# Altium PCB 智能马桶综合检测台V1.0.PcbDoc (part 1 of 10)
Units mil, origin at the board's own origin, x right, y up, seen from the top; angles counter-clockwise.
Board outline 8070.87 x 6102.36 mil, 2 copper layers (Top Layer, Bottom Layer); 199 components, 169 nets, 738 pads, 77 vias.
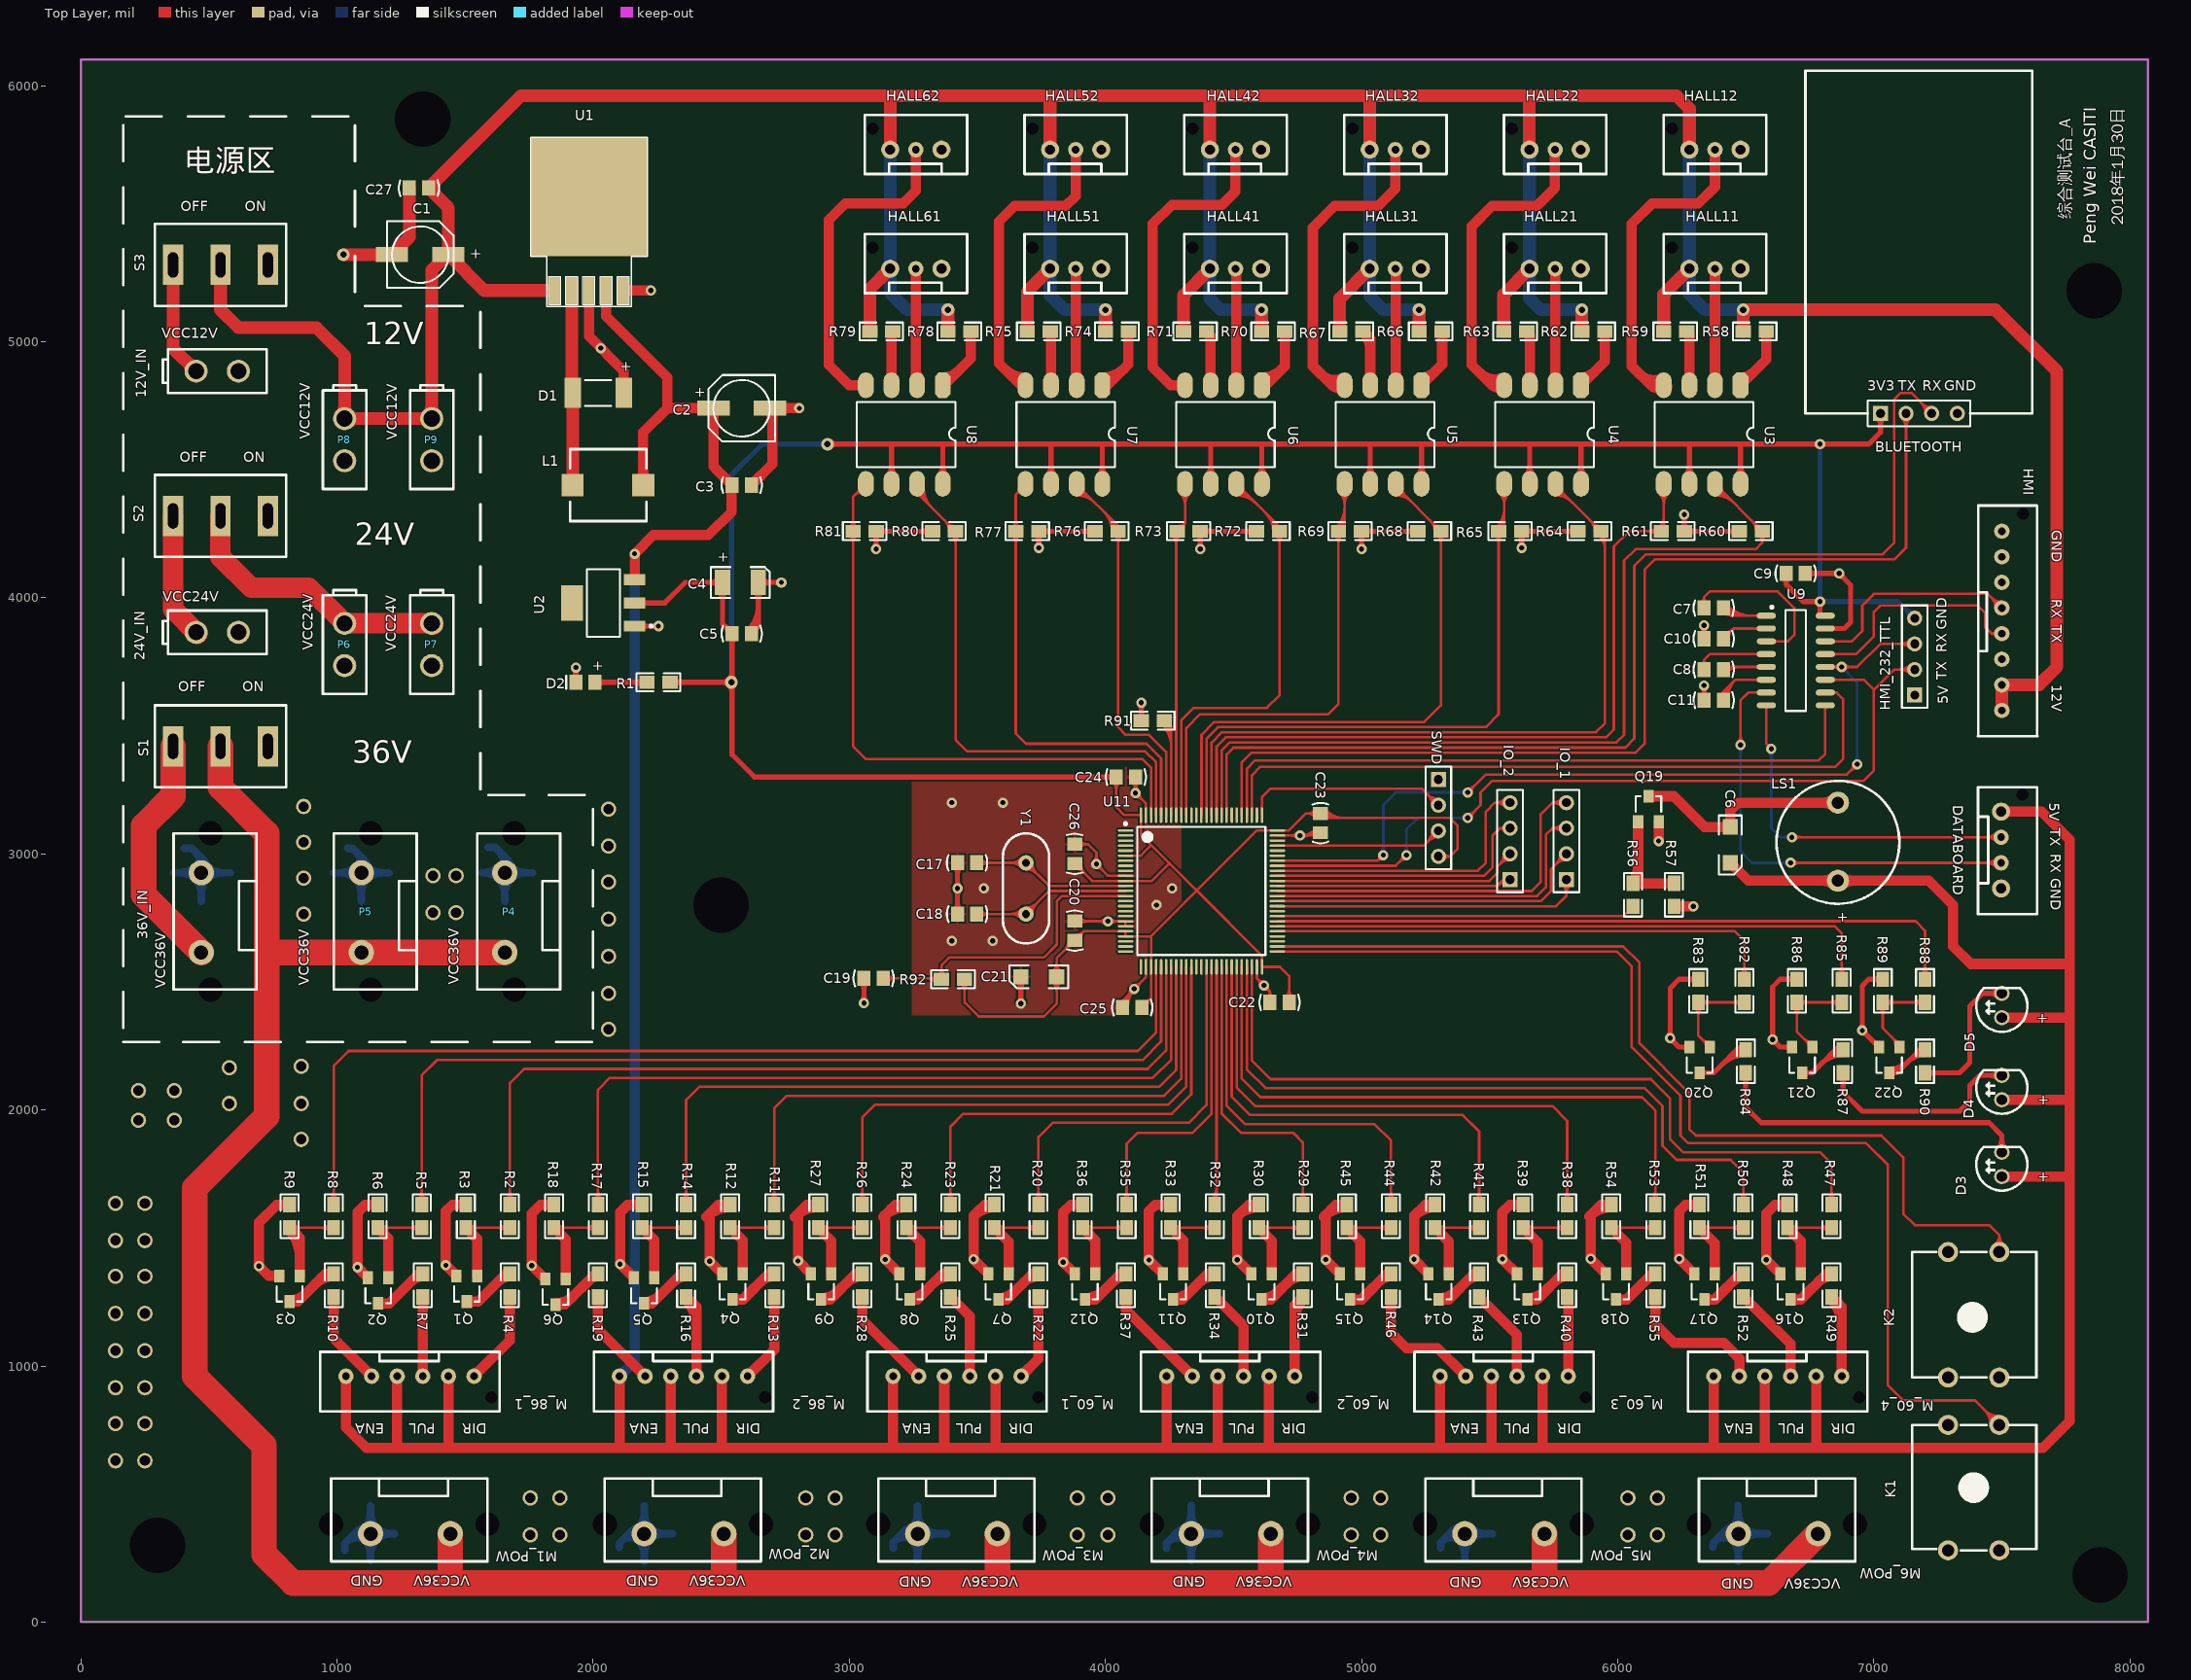
[diagram p0: Top Layer view]
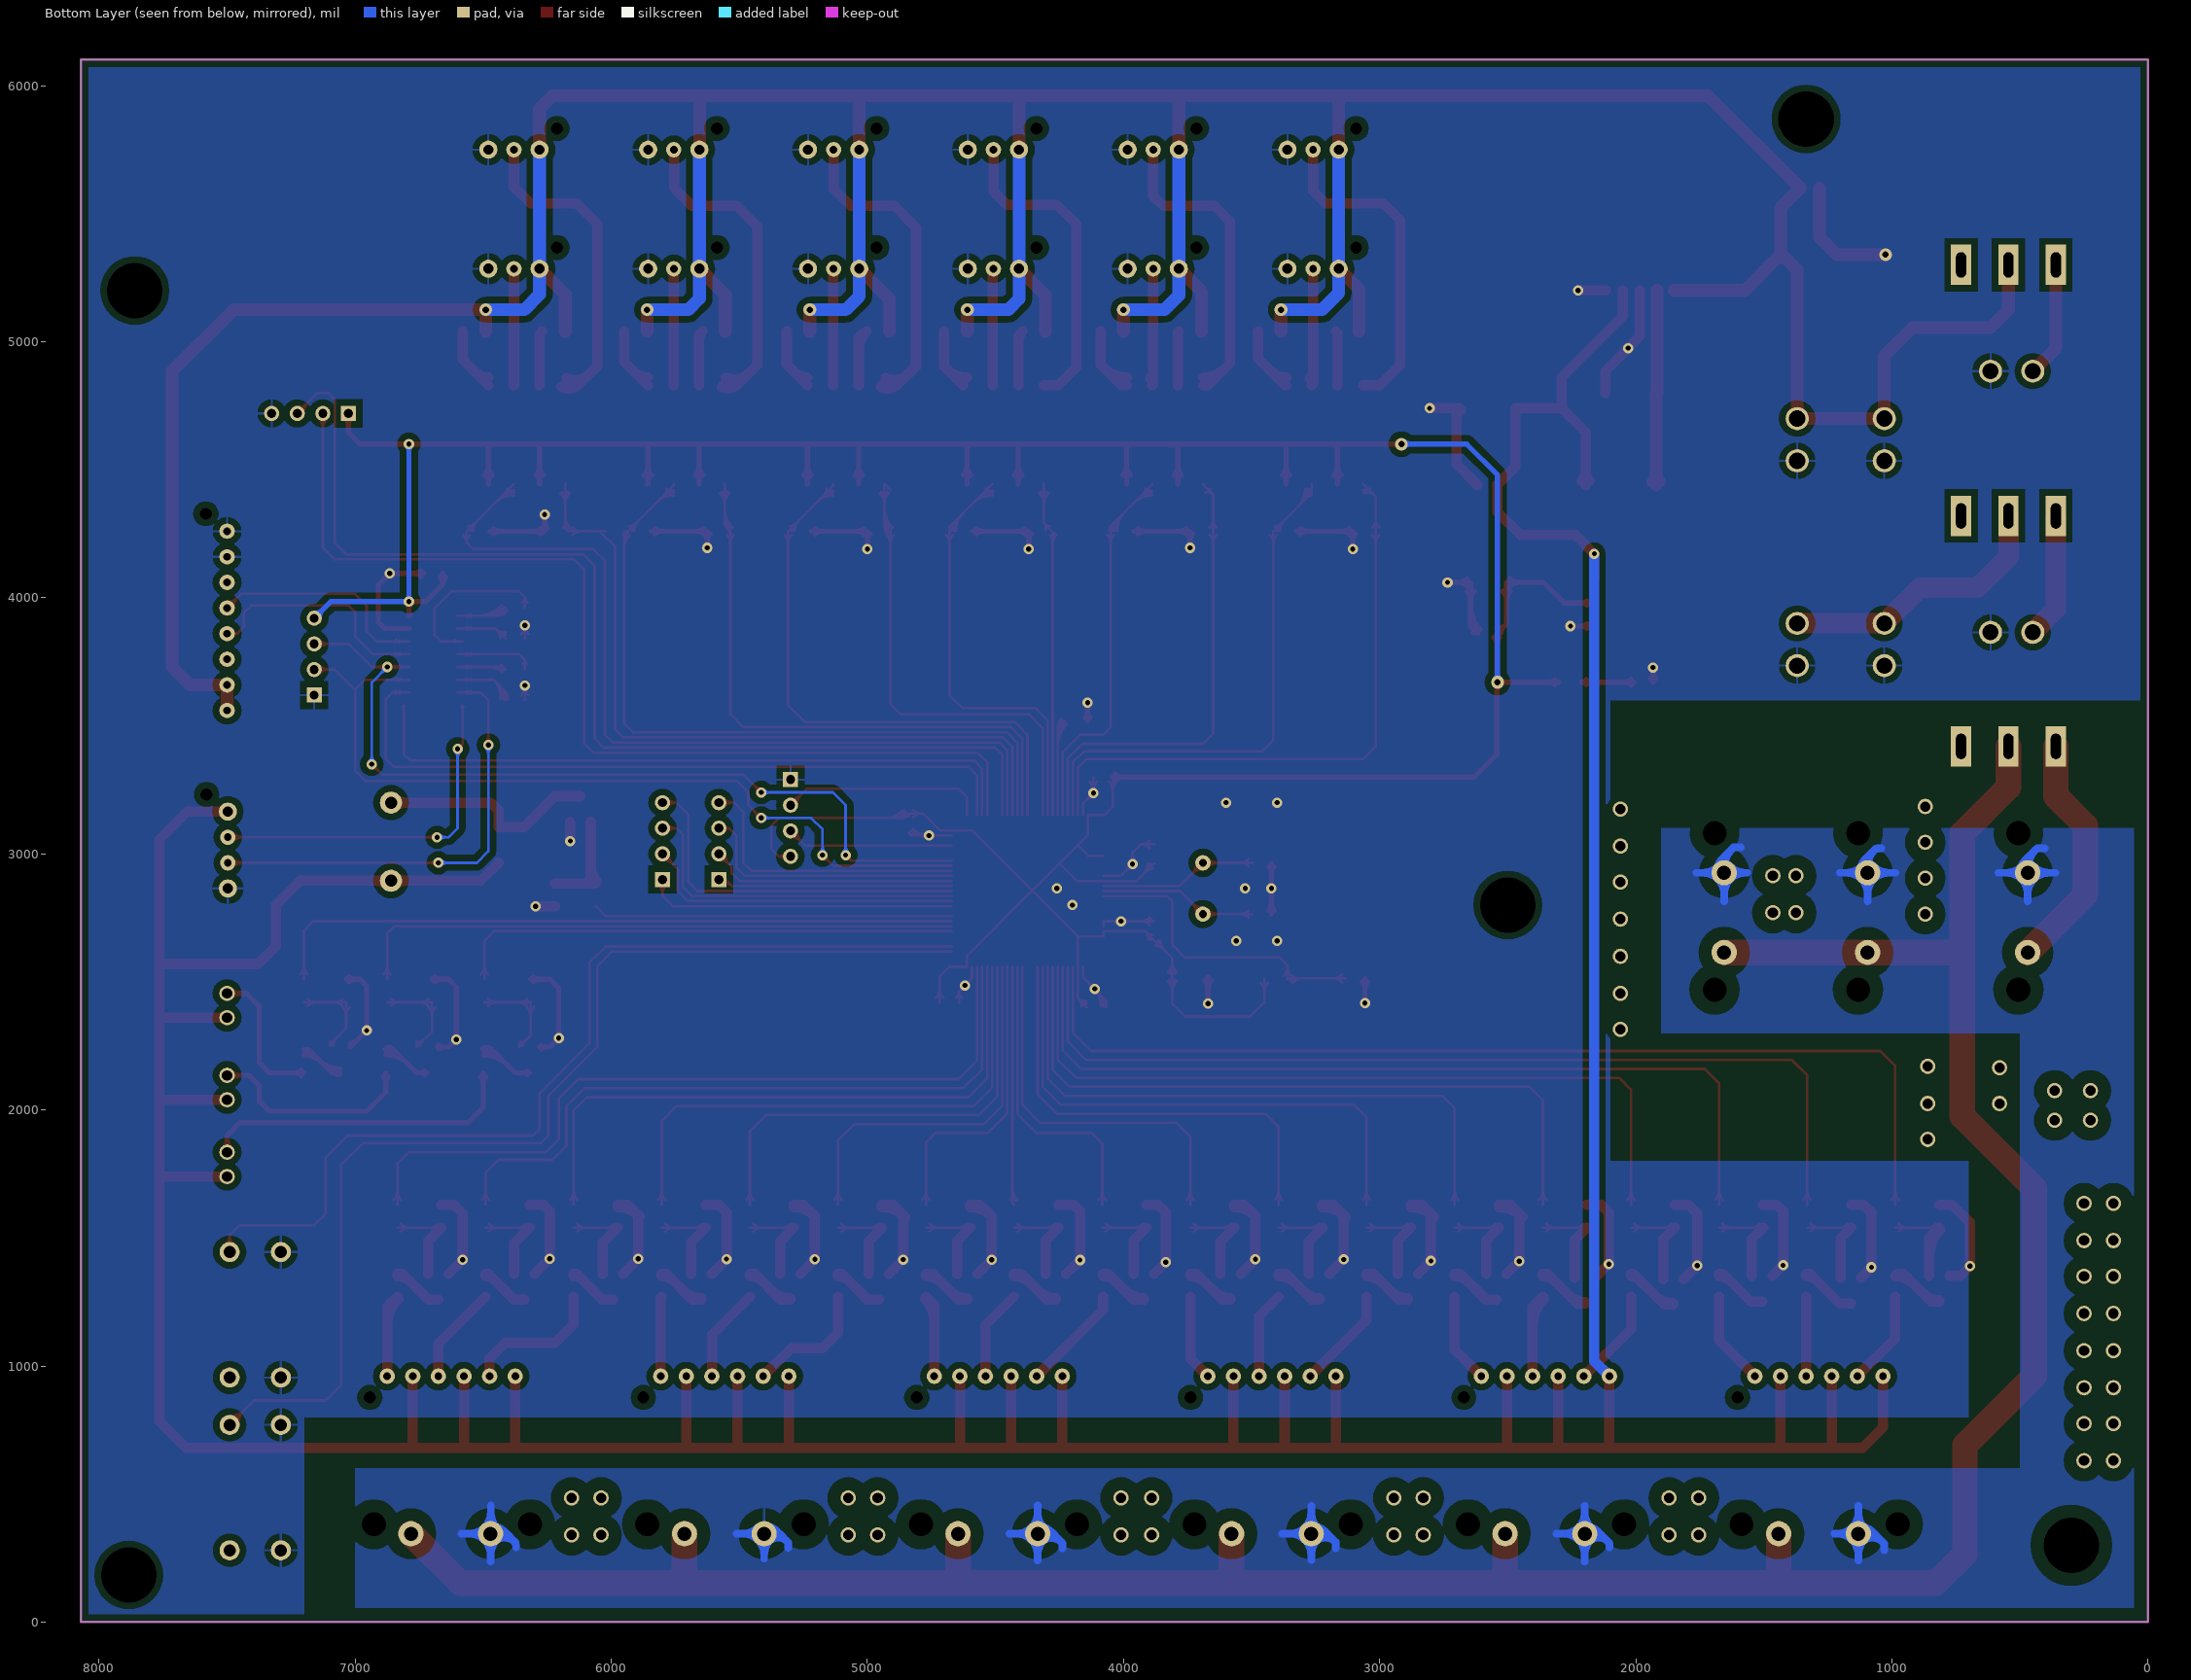
[diagram p1: Bottom Layer view, seen from below]

## Layer stack, top to bottom
Top Layer: signal copper 1.4
Dielectric: dielectric 12.6, FR-4, Dk 4.8
Bottom Layer: signal copper 1.4

## Board outline
0,0 8070.87,0 8070.87,6102.36 0,6102.36

## Design rules (kind name [scope] priority, off if disabled: settings)
Clearance [All] p1: gap=7.87
ComponentClearance [All] p1: gap=10 collisioncheckmode=3 verticalgap=10
HoleSize [All] p1: absolutevalues=TRUE maxlimit=100 minlimit=0 maxpercent=80.000 minpercent=20.000
PolygonConnect PolygonConnect_1 [ViaSize] p1: connectstyle=Direct reliefconductorwidth=10 reliefentries=4 polygonreliefangle="90 Angle"
PolygonConnect [All] p2: connectstyle=Relief reliefconductorwidth=10 reliefentries=4 polygonreliefangle="90 Angle"
RoutingVias [All] p1: holewidth=25 width=40 viastyle="Through Hole" minholewidth=12 minwidth=24 maxholewidth=100 maxwidth=100
SolderMaskExpansion [All] p1: expansion=4
TestPointUsage [All] p1: valid=0 allowmultiple=FALSE
Testpoint [All] p1: side=15 testpointundercomponent=TRUE minsize=40 maxsize=100 preferedsize=60 minholesize=0 maxholesize=40 preferedholesize=32 testpointgrid=1 style=1023 order=0-112345678
Width [All] p1: maxlimit=100 minlimit=8 preferedwidth=12
17 further rules are at their usual default settings.

## Components (designator, comment, footprint, x,y, rotation, side; value= is the part's Value field where it differs from the comment)
12V_IN "Header 2H" 4.2mm接插件2P 440,5100 r90 top
24V_IN "Header 2H" 4.2mm接插件2P 440,4080 r90 top
36V_IN "Header 2H" 大端子 470,2615 r90 top
BLUETOOTH "BLE" BLE4.0 6510,5220 r270 top
C1 "Cap Pol" CC6.56.5 1325,5340 r180 top
C2 "Cap Pol" CC6.56.5 2580,4740 r0 top
C3 "Cap" CAP-0805 2580,4440 r180 top
C4 "Cap Pol" 1210 2500,4060 r0 top
C5 "Cap" CAP-0805 2580,3860 r180 top
C6 "Cap" 1206 6440,3035 r270 top
C7 "Cap" CAP-0805 6375,3960 r180 top
C8 "Cap" CAP-0805 6375,3720 r0 top
C9 "Cap" CAP-0805 6695,4095 r180 top
C10 "Cap" CAP-0805 6375,3840 r0 top
C11 "Cap" CAP-0805 6375,3600 r0 top
C17 "Cap" CAP-0805 3460,2965 r0 top
C18 "Cap" CAP-0805 3460,2765 r0 top
C19 "Cap" CAP-0805 3095,2514.01 r180 top
C20 "Cap" CAP-0805 3880,2700 r270 top
C21 "Cap Pol" 1206 3740,2520 r180 top
C22 "Cap" CAP-0805 4680,2420 r180 top
C23 "Cap" CAP-0805 4840,3120 r270 top
C24 "Cap" CAP-0805 4080,3300 r0 top
C25 "Cap" CAP-0805 4105,2400 r180 top
C26 "Cap" CAP-0805 3880,3000 r90 top
C27 "Cap" CAP-0805 1320,5600 r0 top
D1 "Diode" SMA 2120,4800 r180 top
D2 "LED0" LED_0805 1970,3670 r180 top
D3 "LED1" LED 7500,1740 r90 top
D4 "LED1" LED 7500,2040 r90 top
D5 "LED1" LED 7500,2360 r90 top
DATABOARD "Header 4" XH-254-4P 7410,3260 r270 top
HALL11 "Header 3" XH-254-3P-H 6280,5285 r0 top
HALL12 "Header 3" XH-254-3P-H 6280,5750 r0 top
HALL21 "Header 3" XH-254-3P-H 5656,5285 r0 top
HALL22 "Header 3" XH-254-3P-H 5656,5750 r0 top
HALL31 "Header 3" XH-254-3P-H 5032,5285 r0 top
HALL32 "Header 3" XH-254-3P-H 5032,5750 r0 top
HALL41 "Header 3" XH-254-3P-H 4408,5285 r0 top
HALL42 "Header 3" XH-254-3P-H 4408,5750 r0 top
HALL51 "Header 3" XH-254-3P-H 3784,5285 r0 top
HALL52 "Header 3" XH-254-3P-H 3784,5750 r0 top
HALL61 "Header 3" XH-254-3P-H 3160,5285 r0 top
HALL62 "Header 3" XH-254-3P-H 3160,5750 r0 top
HMI "Header 8" XH-2.54-8P-H 7500,4260 r270 top
HMI_232_TTL "Header 4" HDR1X4 7160,3620 r90 top
IO_1 "Header 4" HDR1X4 5800,2900 r90 top
IO_2 "Header 4" HDR1X4 5580,2900 r90 top
K1 "SW-PB" KEY_M#1 7290,395 r90 top
K2 "SW-PB" KEY_M#2 7290,1100 r90 top
L1 "Inductor" 功率电感7*7 1920,4440 r0 top
LS1 "Bell" 有源蜂鸣器5V 6860,2895 r90 top
M1_POW "Header 2H" 大端子 1442.24,345 r180 top
M2_POW "Header 2H" 大端子 2510.24,345 r180 top
M3_POW "Header 2H" 大端子 3578.24,345 r180 top
M4_POW "Header 2H" 大端子 4646.24,345 r180 top
M5_POW "Header 2H" 大端子 5714.24,345 r180 top
M6_POW "Header 2H" 大端子 6782.24,345 r180 top
M_60_1 "Header 6" XH-2.54-6P-H 3671,960 r180 top (schematic designator MOTOR_60_1)
M_60_2 "Header 6" XH-2.54-6P-H 4739,960 r180 top (schematic designator MOTOR_60_2)
M_60_3 "Header 6" XH-2.54-6P-H 5807,960 r180 top (schematic designator MOTOR_60_3)
M_60_4 "Header 6" XH-2.54-6P-H 6875,960 r180 top (schematic designator MOTOR_60_4)
M_86_1 "Header 6" XH-2.54-6P-H 1535,960 r180 top (schematic designator MOTOR_86_1)
M_86_2 "Header 6" XH-2.54-6P-H 2603,960 r180 top (schematic designator MOTOR_86_2)
P4 "Header 2H" 大端子 1655,2615 r90 top
P5 "Header 2H" 大端子 1095,2615 r90 top
P6 "Header 2H" 4.2mm接插件2P 1245,3910 r0 top
P7 "Header 2H" 4.2mm接插件2P 1585,3910 r0 top
P8 "Header 2H" 4.2mm接插件2P 1245,4710 r0 top
P9 "Header 2H" 4.2mm接插件2P 1585,4710 r0 top
Q1 "8050" SOT-23_3C 1546.76,1351.5 r180 top
Q2 "8050" SOT-23_3C 1200.88,1344.5 r180 top
Q3 "8050" SOT-23_3C 855,1351.5 r180 top
Q4 "8050" SOT-23_3C 2584.41,1360 r180 top
Q5 "8050" SOT-23_3C 2238.53,1344.5 r180 top
Q6 "8050" SOT-23_3C 1892.65,1339.5 r180 top
Q7 "8050" SOT-23_3C 3622.06,1360 r180 top
Q8 "8050" SOT-23_3C 3276.18,1360 r180 top
Q9 "8050" SOT-23_3C 2930.29,1360 r180 top
Q10 "8050" SOT-23_3C 4650,1360 r180 top
Q11 "8050" SOT-23_3C 4303.82,1360 r180 top
Q12 "8050" SOT-23_3C 3960,1360 r180 top
Q13 "8050" SOT-23_3C 5687.35,1360 r180 top
Q14 "8050" SOT-23_3C 5341.47,1360 r180 top
Q15 "8050" SOT-23_3C 4995.59,1360 r180 top
Q16 "8050" SOT-23_3C 6715,1360 r180 top
Q17 "8050" SOT-23_3C 6379.12,1360 r180 top
Q18 "8050" SOT-23_3C 6033.23,1360 r180 top
Q19 "8050" SOT-23_3C 6080,3125 r0 top
Q20 "8050" SOT-23_3C 6360,2245 r180 top
Q21 "8050" SOT-23_3C 6760,2245 r180 top
Q22 "8050" SOT-23_3C 7100,2245 r180 top
R1 "Res" 0805 2210,3670 r0 top
R2 "Res" 0805 1675,1630 r270 top
R3 "Res" 0805 1503,1540 r90 top
R4 "Res" 0805 1675,1360 r270 top
R5 "Res" 0805 1331,1630 r270 top
R6 "Res" 0805 1159,1630 r270 top
R7 "Res" 0805 1335,1360 r270 top
R8 "Res" 0805 987,1630 r270 top
R9 "Res" 0805 815,1540 r90 top
R10 "Res" 0805 987,1360 r270 top
R11 "Res" 0805 2707,1630 r270 top
R12 "Res" 0805 2535,1630 r270 top
R13 "Res" 0805 2707,1360 r270 top
R14 "Res" 0805 2363,1630 r270 top
R15 "Res" 0805 2191,1540 r90 top
R16 "Res" 0805 2363,1360 r270 top
R17 "Res" 0805 2019,1630 r270 top
R18 "Res" 0805 1847,1630 r270 top
R19 "Res" 0805 2019,1360 r270 top
R20 "Res" 0805 3739,1630 r270 top
R21 "Res" 0805 3567,1540 r90 top
R22 "Res" 0805 3739,1360 r270 top
R23 "Res" 0805 3395,1630 r270 top
R24 "Res" 0805 3223,1630 r270 top
R25 "Res" 0805 3395,1360 r270 top
R26 "Res" 0805 3051,1630 r270 top
R27 "Res" 0805 2879,1540 r90 top
R28 "Res" 0805 3051,1360 r270 top
R29 "Res" 0805 4771,1630 r270 top
R30 "Res" 0805 4599,1630 r270 top
R31 "Res" 0805 4771,1360 r270 top
R32 "Res" 0805 4427,1630 r270 top
R33 "Res" 0805 4255,1540 r90 top
R34 "Res" 0805 4427,1360 r270 top
R35 "Res" 0805 4083,1630 r270 top
R36 "Res" 0805 3911,1630 r270 top
R37 "Res" 0805 4080,1360 r270 top
R38 "Res" 0805 5803,1540 r90 top
R39 "Res" 0805 5631,1630 r270 top
R40 "Res" 0805 5803,1360 r270 top
R41 "Res" 0805 5459,1540 r90 top
R42 "Res" 0805 5287,1540 r90 top
R43 "Res" 0805 5459,1360 r270 top
R44 "Res" 0805 5115,1540 r90 top
R45 "Res" 0805 4943,1540 r90 top
R46 "Res" 0805 5115,1360 r270 top
R47 "Res" 0805 6835,1540 r90 top
R48 "Res" 0805 6663,1630 r270 top
R49 "Res" 0805 6835,1360 r270 top
R50 "Res" 0805 6491,1540 r90 top
R51 "Res" 0805 6319,1540 r90 top
R52 "Res" 0805 6491,1360 r270 top
R53 "Res" 0805 6147,1540 r90 top
R54 "Res" 0805 5975,1540 r90 top
R55 "Res" 0805 6147,1360 r270 top
R56 "Res" 0805 6060,2795 r90 top
R57 "Res" 0805 6220,2885 r270 top
R58 "Res" 0805 6490,5040 r0 top
R59 "Res" 0805 6180,5040 r0 top
R60 "Res" 0805 6475,4260 r0 top
R61 "Res" 0805 6260,4260 r180 top
R62 "Res" 0805 5860,5040 r0 top
R63 "Res" 0805 5555,5040 r0 top
R64 "Res" 0805 5845,4260 r0 top
R65 "Res" 0805 5625,4260 r180 top
R66 "Res" 0805 5225,5040 r0 top
R67 "Res" 0805 4915,5040 r0 top
R68 "Res" 0805 5220,4260 r0 top
R69 "Res" 0805 5000,4260 r180 top
R70 "Res" 0805 4610,5040 r0 top
R71 "Res" 0805 4305,5040 r0 top
R72 "Res" 0805 4590,4260 r0 top
R73 "Res" 0805 4370,4260 r180 top
R74 "Res" 0805 4000,5040 r0 top
R75 "Res" 0805 3695,5040 r0 top
R76 "Res" 0805 3960,4260 r0 top
R77 "Res" 0805 3740,4260 r180 top
R78 "Res" 0805 3385,5040 r0 top
R79 "Res" 0805 3080,5040 r0 top
R80 "Res" 0805 3325,4260 r0 top
R81 "Res" 0805 3105,4260 r180 top
R82 "Res" 0805 6495,2510 r270 top
R83 "Res" 0805 6315,2420 r90 top
R84 "Res" 0805 6500,2145 r90 top
R85 "Res" 0805 6875,2510 r270 top
R86 "Res" 0805 6700,2420 r90 top
R87 "Res" 0805 6880,2145 r90 top
R88 "Res" 0805 7200,2510 r270 top
R89 "Res" 0805 7035,2420 r90 top
R90 "Res" 0805 7200,2145 r90 top
R91 "Res" 0805 4230,3520 r180 top
R92 "Res" 0805 3360,2510 r0 top
S1 "SW-SPST" 纽子开关 360,3420 r270 top
S2 "SW-SPST" 纽子开关 360,4320 r270 top
S3 "SW-SPST" 纽子开关 360,5300 r270 top
SWD "Header 4" HDR1X4 5300,3290 r270 top
U1 "LM2596S-5.0" TO-263-5L(D2PAK) 1850,5200 r0 top
U2 "AMS1117-3.3" SOT223 2040,3980 r90 top
U3 "TLP521_2" TLP521-2 6480,4815 r270 top
U4 "TLP521_2" TLP521-2 5857,4815 r270 top
U5 "TLP521_2" TLP521-2 5234,4815 r270 top
U6 "TLP521_2" TLP521-2 4611,4815 r270 top
U7 "TLP521_2" TLP521-2 3988,4815 r270 top
U8 "TLP521_2" TLP521-2 3365,4815 r270 top
U9 "MAX232AESE" L16_L 6695,3755 r0 top
U11 "STM32F103VCT6" STM-LQFP100_L 4375,2855 r0 top
Y1 "XTAL" X-HC49U 3690,2865 r270 top

## Footprints (in the part's own frame and the unit in brackets; to place one, negate y for a bottom-side part, rotate by r counter-clockwise, add the part's x,y. Pads: shape width x height; smd on the part's side, far side on the other; paste and mask are expansions set on the pad)
4.2mm接插件2P [mil]
  round 90 hole 62.99: 1(-215,-10) 2(-215,-175)
  silkscreen extent -300,-285 -130,120
0805 [mil]
  rect 60x50 smd: 1(0,0) 2(90,0)
  silkscreen extent -40,-35 130,35
1206 [mil]
  rect 60x60 smd: 1(-70,0) 2(70,0)
  silkscreen extent -115,-45 115,45, body extent -75,-35 75,35, height 39
1210 [mil]
  rect 60x100 smd: 1(5,0) 2(145,0)
  silkscreen extent -40,-60 190,60, body extent 0,-35 150,35, height 39
BLE4.0 [mm]
  rect 1.5x1.5 hole 0.9: 1(12.7,13.106)
  round 1.5 hole 0.9: 2(12.7,15.646) 3(12.7,18.186) 4(12.7,20.726)
  silkscreen extent -21.3,5.67 13.97,28.17
CAP-0805 [mm]
  rect 1.3x1.5 smd: 1(-0.95,0) 2(0.95,0)
  silkscreen extent -2,-0.79 2,0.79, body extent -1.27,-0.64 1.27,0.64, height 0.9
CC6.56.5 [mm]
  rect 3.2x1.5 smd: 1(-2.794,0) 2(2.8,0)
  silkscreen extent -3.3,-3.3 3.3,3.3
HDR1X4 [mm] "Connector; Header; 4 Position"
  rect 1.5x1.5 hole 0.9: 1(0,0)
  round 1.5 hole 0.9: 2(2.54,0) 3(5.08,0) 4(7.62,0)
  silkscreen extent -1.27,-1.27 8.89,1.27
KEY_M#1 [mm]
  round 2 hole 1.2: 1(-2.921,0) 1(9.525,0) 2(-2.921,-5.08) 2(9.525,-5.08)
  silkscreen extent -2.92,-8.76 9.53,3.56
KEY_M#2 [mm]
  round 2 hole 1.2: 1(-3.683,0) 1(8.763,0) 2(-3.683,-5.08) 2(8.763,-5.08)
  silkscreen extent -3.68,-8.76 8.76,3.56
L16_L [mm] "SOIC, 16-Leads, Body 9.9x3.9mm, Pitch 1.27mm, IPC High Density"
  oval 1.9x0.6 smd: 1(-2.905,4.445) 2(-2.905,3.175) 3(-2.905,1.905) 4(-2.905,0.635) 5(-2.905,-0.635) 6(-2.905,-1.905) 7(-2.905,-3.175) 8(-2.905,-4.445) 9(2.937,-4.445) 10(2.937,-3.175) 11(2.937,-1.905) 12(2.937,-0.635) 13(2.937,0.635) 14(2.937,1.905) 15(2.937,3.175) 16(2.937,4.445)
  silkscreen extent -2.47,-5 1,5.42, body extent -1.95,-4.95 1.95,4.95, height 1.75
LED [mil]
  round 60 hole 40: 1(0,0) 2(95,0)
  silkscreen extent -55,-100 116,100
LED_0805 [mm]
  rect 1.3x1.5 smd: 1(-0.95,0) 2(0.95,0)
  silkscreen extent 1.91,-0.63 1.91,0.64
SMA [mm]
  rect 1.65x3 smd: 1(0.015,0) 2(5.065,0)
  silkscreen extent 1.24,-1.27 3.84,1.28, body extent 0.44,-1.35 4.64,1.35, height 0.6
SOT223 [mm] "SOT-223/SC-73; 4 Leads; Body 6.7 x 7.3 mm, inc. leads (LxW max)"
  rect 1.1x2.15 smd: 1(-2.3,-3.1) 2(0,-3.1) 3(2.3,-3.1)
  rect 3.5x2.15 smd: 4(0,3.1)
  silkscreen extent -3.35,-4.85 3.35,1.63
SOT-23_3C [mil]
  rect 40x50 smd: 1(0,0) 2(80,0) 3(40,100)
  silkscreen extent -10,40 90,100
STM-LQFP100_L [mm] "Thin QFP, 100-Leads, Body 14x14mm, Pitch 0.5mm, IPC High Density"
  oval 1.55x0.25 smd: 1(-7.525,6) 2(-7.525,5.5) 3(-7.525,5) 4(-7.525,4.5) 5(-7.525,4) 6(-7.525,3.5) 7(-7.525,3) 8(-7.525,2.5) 9(-7.525,2) 10(-7.525,1.5) 11(-7.525,1) 12(-7.525,0.5) 13(-7.525,0) 14(-7.525,-0.5) 15(-7.525,-1) 16(-7.525,-1.5) 17(-7.525,-2) 18(-7.525,-2.5) 19(-7.525,-3) 20(-7.525,-3.5) 21(-7.525,-4) 22(-7.525,-4.5) 23(-7.525,-5) 24(-7.525,-5.5) 25(-7.525,-6) 51(7.525,-6) 52(7.525,-5.5) 53(7.525,-5) 54(7.525,-4.5) 55(7.525,-4) 56(7.525,-3.5) 57(7.525,-3) 58(7.525,-2.5) 59(7.525,-2) 60(7.525,-1.5) 61(7.525,-1) 62(7.525,-0.5) 63(7.525,0) 64(7.525,0.5) 65(7.525,1) 66(7.525,1.5) 67(7.525,2) 68(7.525,2.5) 69(7.525,3) 70(7.525,3.5) 71(7.525,4) 72(7.525,4.5) 73(7.525,5) 74(7.525,5.5) 75(7.525,6)
  oval 0.25x1.55 smd: 26(-6,-7.525) 27(-5.5,-7.525) 28(-5,-7.525) 29(-4.5,-7.525) 30(-4,-7.525) 31(-3.5,-7.525) 32(-3,-7.525) 33(-2.5,-7.525) 34(-2,-7.525) 35(-1.5,-7.525) 36(-1,-7.525) 37(-0.5,-7.525) 38(0,-7.525) 39(0.5,-7.525) 40(1,-7.525) 41(1.5,-7.525) 42(2,-7.525) 43(2.5,-7.525) 44(3,-7.525) 45(3.5,-7.525) 46(4,-7.525) 47(4.5,-7.525) 48(5,-7.525) 49(5.5,-7.525) 50(6,-7.525) 76(6,7.525) 77(5.5,7.525) 78(5,7.525) 79(4.5,7.525) 80(4,7.525) 81(3.5,7.525) 82(3,7.525) 83(2.5,7.525) 84(2,7.525) 85(1.5,7.525) 86(1,7.525) 87(0.5,7.525) 88(0,7.525) 89(-0.5,7.525) 90(-1,7.525) 91(-1.5,7.525) 92(-2,7.525) 93(-2.5,7.525) 94(-3,7.525) 95(-3.5,7.525) 96(-4,7.525) 97(-4.5,7.525) 98(-5,7.525) 99(-5.5,7.525) 100(-6,7.525)
  silkscreen extent -7.65,-6.35 6.35,6.8, body extent -7,-7 7,7, height 1.6
TLP521-2 [mil]
  oct 100x62 smd: 1(-15,0)
  oval 100x62 smd: 2(-15,-100) 3(-15,-200) 4(-15,-300) 5(370,-300) 6(370,-200) 7(370,-100) 8(370,0)
  silkscreen extent 50,-335 305,50
TO-263-5L(D2PAK) [mm]
  rect 1.203x2.803 smd: 1(0,0) 2(1.7,0) 3(3.4,0) 4(5.1,0) 5(6.8,0)
  rect 11.6x11.8 smd: 3(3.412,9.297)
  silkscreen extent -2.4,-1.6 9.2,15.2, body extent -1.65,-0.84 8.51,13.39, height 4.87
X-HC49U [mil]
  round 60 hole 32: 1(-100,0) 2(100,0)
  silkscreen extent -215,-90 215,90
XH-2.54-6P-H [mil]
  round 0 hole 47.24: 0(-68,83)
  round 60 hole 30: 1(0,0) 2(100,0) 3(200,0) 4(300,0) 5(400,0) 6(500,0)
  silkscreen extent -100,-95 600,138
XH-2.54-8P-H [mil]
  round 0 hole 47.24: 0(-68,83)
  round 60 hole 30: 1(0,0) 2(100,0) 3(200,0) 4(300,0) 5(400,0) 6(500,0) 7(600,0) 8(700,0)
  silkscreen extent -100,-93 800,139
XH-254-3P-H [mm]
  round 0 hole 1.2: 0(-1.727,2.108)
  round 1.8 hole 1: 1(0,0) 3(5.08,0)
  round 1.524 hole 0.762: 2(2.54,0)
  silkscreen extent -2.54,-2.41 7.62,3.43
XH-254-4P [mil]
  round 0 hole 47.24: 0(28,170)
  round 70.87 hole 39.37: 1(95,87) 4(395,87)
  round 60 hole 30: 2(195,87) 3(295,87)
  silkscreen extent 0,-3 495,227
功率电感7*7 [mm]
  rect 2.2x2.2 smd: 1(0,0) 2(7,0)
  silkscreen extent -0.27,-3.57 7.31,3.57
大端子 [mm]
  round 0 hole 2.4: 0(-3.683,-0.94) 0(11.811,-0.94)
  round 2.5 hole 1.4: 1(0,0) 2(7.9,0)
  silkscreen extent -3.68,-5.49 11.81,2.74
有源蜂鸣器5V [mm]
  round 2.2 hole 1.2: 1(0,0) 2(7.747,0)
  silkscreen extent -2.29,-6.1 9.91,6.09
纽子开关 [mm]
  rect 4x2 hole 1 slot 2.5 at 0 deg: 1(0,0) 2(0,4.7) 3(0,9.4)
  silkscreen extent -4.06,-1.8 4.06,11.2

## Part data
12V_IN 24V_IN 36V_IN M1_POW M2_POW M3_POW M4_POW M5_POW M6_POW P4 P5 P6 P7 P8 P9: "Header, 2-Pin, Right Angle"
BLUETOOTH: library part BLE4.0
C1 C2: "极性电解电容"
C3 C6 C7 C8 C9 C10 C11 C17 C18 C19 C20 C22 C23 C24 C25 C26 C27: "无极性电容"
C4 C21: library part Cap, "无极性电容"
C5: library part "Cap Pol", "极性电解电容"
D1: "二极管"
D2: "发光二极管"
D3 D4 D5: "Typical RED GaAs LED"
DATABOARD HMI_232_TTL IO_1 IO_2 SWD: "Header, 4-Pin"
HALL11 HALL12 HALL21 HALL22 HALL31 HALL32 HALL41 HALL42 HALL51 HALL52 HALL61 HALL62: "Header, 3-Pin"
HMI: "Header, 8-Pin"
K1 K2: "Switch"
LS1: "Electrical Bell"
M_60_1 M_60_2 M_60_3 M_60_4 M_86_1 M_86_2: "Header, 6-Pin"
Q1 Q3 Q4 Q5 Q6 Q7 Q8 Q9 Q10 Q11 Q12 Q13 Q14 Q15 Q16 Q17 Q18 Q19 Q20 Q21 Q22: library part NPN(1)
Q2: library part "MOSFET P"
R1 R2 R3 R5 R6 R7 R8 R9 R10 R11 R12 R13 R14 R15 R16 R17 R18 R19 R20 R21 R22 R23 R24 R25 R26 R27 R28 R29 R30 R31 R32 R33 R34 R35 R36 R37 R38 R39 R40 R41 R42 R43 R44 R45 R46 R47 R48 R49 R50 R51 R52 R53 R54 R55 R56 R57 R58 R59 R60 R61 R62 R63 R64 R65 R66 R67 R68 R69 R70 R71 R72 R73 R74 R75 R76 R77 R78 R79 R80 R81 R82 R83 R84 R85 R86 R87 R88 R89 R90 R91 R92: library part Res1, "贴片电阻"
R4: library part RES
S1 S2 S3: "Single-Pole, Single-Throw Switch"
U1: library part MC74HC4049D, "Hex Inverting Buffer/Logic-Level Down Converter"
U2: library part 7805
U9: "+5V-Powered, Multichannel RS-232 Driver/Receiver"
U11: "ARM Cortex-M3 32-bit MCU, 256 KB Flash, 48 KB Internal RAM, 80 I/Os, 100-pin LQFP, -40 to 85 degC, Tray"
Y1: "晶振"

## Free pads (board coordinates)
  round 60 hole 40: 0(135,630) 0(135,775) 0(135,915) 0(135,1060) 0(135,1205) 0(135,1350) 0(135,1490) 0(135,1635) 0(225,1960) 0(225,2075) 0(250,630) 0(250,775) 0(250,915) 0(250,1060) 0(250,1205) 0(250,1350) 0(250,1490) 0(250,1635) 0(365,1960) 0(365,2075) 0(580,2025) 0(580,2165) 0(860,1885) 0(860,2025) 0(860,2170) 0(870,2765) 0(870,2905) 0(870,3045) 0(870,3185) 0(1375,2770) 0(1375,2915) 0(1465,2770) 0(1465,2915) 0(1755,340) 0(1755,485) 0(1870,340) 0(1870,485) 0(2060,2315) 0(2060,2455) 0(2060,2600) 0(2060,2745) 0(2060,2890) 0(2060,3030) 0(2060,3175) 0(2830,340) 0(2830,485) 0(2945,340) 0(2945,485) 0(3890,340) 0(3890,485) 0(4010,340) 0(4010,485) 0(4960,340) 0(4960,485) 0(5075,340) 0(5075,485) 0(6040,340) 0(6040,485) 0(6155,340) 0(6155,485)
  round 0 hole 216.54: 2(300,300) 2(1335,5870) 2(2500,2800) 2(7860,5200) 2(7883.7,183.7)

## Via types
v1: diameter 40, hole 20, Top Layer to Bottom Layer, 68 vias
v2: diameter 50, hole 25, Top Layer to Bottom Layer, 9 vias